# KiCad board nsec-badge-2025-panel.kicad_pcb (continued)
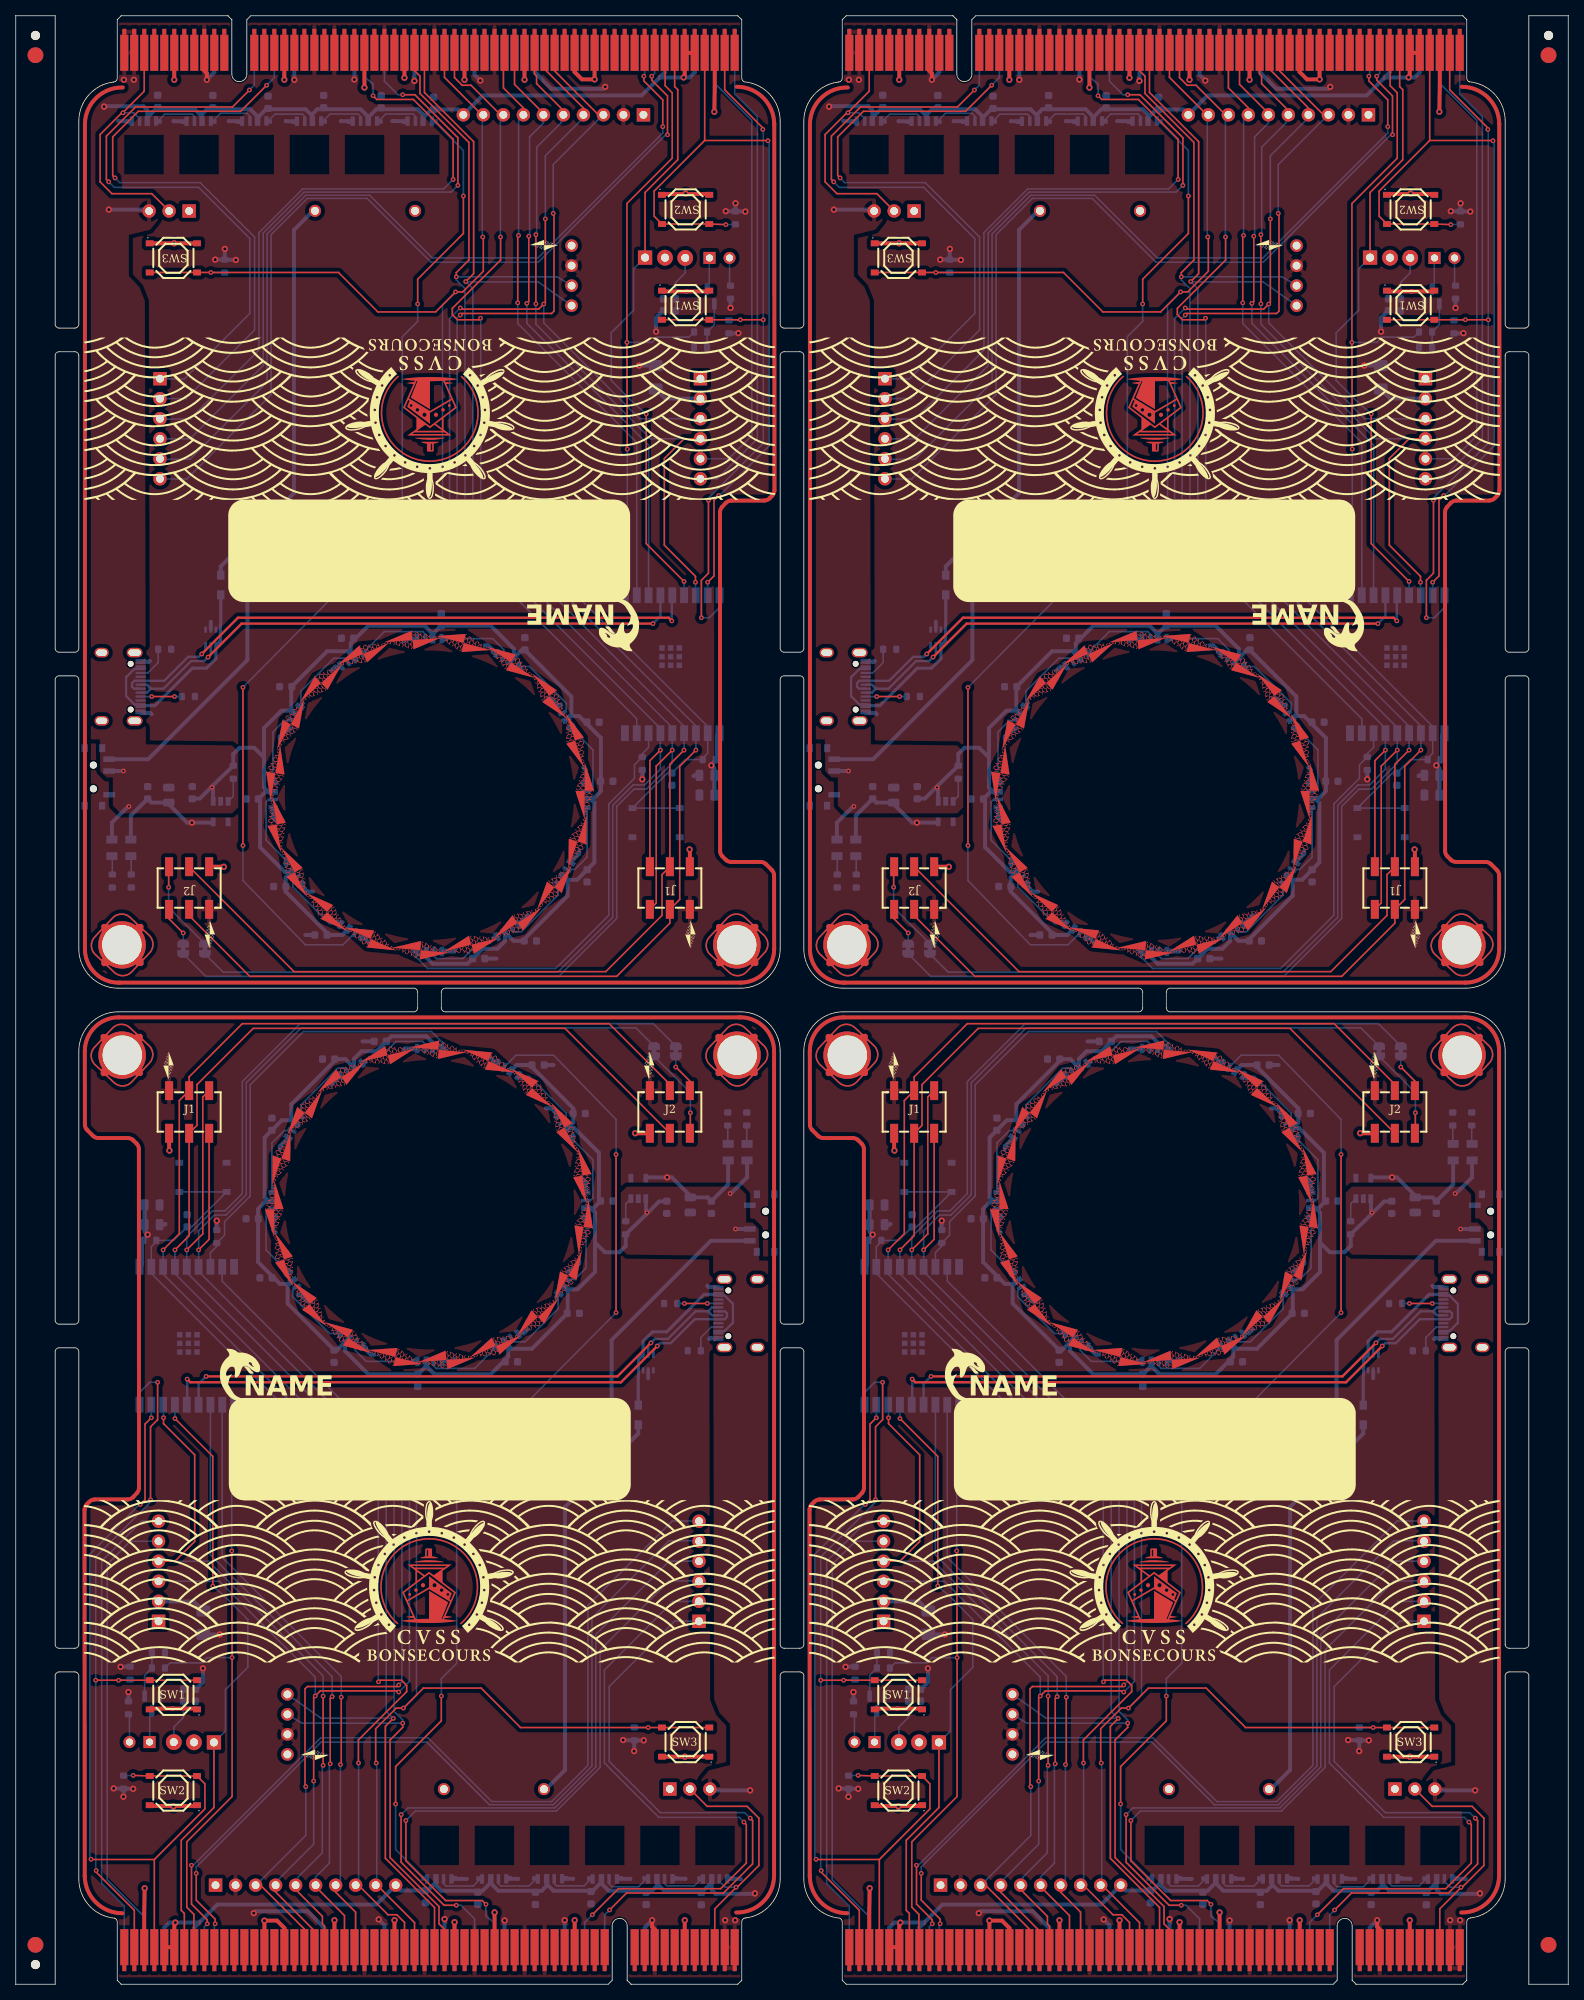
[diagram p0: board, top side]
## Routing (per net, layer and track width the routed paths; a pad name or vN(x,y) marks a point on that pad's centre or on a via; arc(x,y) is an arc through that point) (continued)
Board_2-GPIO3: length 88.4
  Top w0.2: v2(39,27.77) v2(39,36.55) ; 18.17,53.67 20.2,53.67 22.7,56.17 22.7,67.17 18.75,71.12 v2(18.75,71.87) ; J5#2.B21 39.16,7.41 38.91,7.66 38.91,8.61 35.51,12.01 J3.5
  Bottom w0.2: v2(39,36.55) 39,39.12 24.46,53.67 18.17,53.67 ; 35.8,12.86 35.8,13.57 38.9,16.67 38.9,27.67 v2(39,27.77) ; v2(18.75,71.87) 18.75,73.47 U1.16
Board_2-I2C_SCL: length 209.5
  Top w0.2: v2(20.2,93.17) 22,94.97 J1#3.5 23,108.96 23,114.14 30.13,121.27 69.69,121.27 J2#3.5 ; v2(49.1,33.12) 49.1,32.59 47.5,31 47.5,16.07 53.71,9.86 53.71,7.66 54.41,6.96 J5#2.B33
  Bottom w0.2: v2(20.2,93.17) U1.4 20.2,90.15 48,62.34 48,34.62 49.1,33.52 v2(49.1,33.12) 36.3,33.12 U7.3
Board_2-I2C_SDA: length 209.1
  Top w0.2: v2(18.7,93.17) 20.75,95.22 20.75,112.12 J1#3.2 22,115.12 28.75,121.87 75.3,121.87 83,114.17 J2#3.2 ; J5#2.B32 53.14,9.73 46.9,15.97 46.9,32.72 v2(47.9,33.72)
  Bottom w0.2: v2(18.7,93.17) U1.3 18.7,90.09 47,61.79 47,34.62 v2(47.9,33.72) 47.85,33.77 38.71,33.77 U7.4
Board_2-IR_IN: length 76.4
  Top w0.2: J5#2.B7 21.39,8.98 21,9.37 21,18.27 25.15,22.42 U5#2.1 ; v2(20.2,71.77) 25,66.97 v2(25,50.52)
  Bottom w0.2: U5#2.1 26.6,32.13 26.6,37.37 29.45,40.22 29.45,46.27 26.55,49.17 v2(25,50.52) ; v2(20.2,71.77) U1.15
Board_2-IR_OUT: length 80.8
  Top w0.2: v2(27.45,41.45) 27.45,23.82 21.7,18.07 21.7,9.77 22.6,8.87 22.6,4.76 J5#2.B8 ; v2(27.45,41.45) v2(27.41,54.98) ; v2(27.45,41.45) 27.48,41.47
  Bottom w0.2: v2(27.41,54.98) 27.41,70.85 27.72,71.95 U1.10 ; R12.1 19.58,40.77 23.6,40.77 24.28,41.45 v2(27.45,41.45)
Board_2-Net-(J6-Pin_2): length 6.1
  Bottom w0.2: 18.19,48.57 18.17,48.59
  Bottom w0.5: 18.19,48.57 22.59,48.57 F1#4.2
Board_2-Net-(JP1-A): length 5.1
  Top w0.2: J2#3.3 85.54,114.58 v2(83.75,116.37)
  Bottom w0.2: JP1#3.1 v2(83.75,116.37)
Board_2-Net-(JP2-B): length 11.7
  Top w0.2: J2#3.4 85.6,108.02 v2(85.6,110.57)
  Bottom w0.2: v2(85.6,110.57) 85.6,113.12 JP2#3.2
Board_2-Net-(LED1--): length 2.3
  Bottom w0.2: LED1.2 92.75,106.67 R2#4.1
Board_2-Net-(LED2--): length 2.3
  Bottom w0.2: R3#2.1 90.35,106.67 LED2#4.2
Board_2-Net-(Q1-B): length 5.9
  Bottom w0.2: Q1#4.1 16.35,39.2 R12.2 R13#2.2
Board_2-Net-(Q1-C): length 4.1
  Bottom w0.2: U4#3.1 17,30.75 17,34.38 Q1#4.3
Board_2-Net-(RGB1-DOUT): length 9.7
  Bottom w0.2: RGB1#2.3 51.93,119.31 51.63,119.61 48.24,119.61 46.25,117.62 44.78,117.62 RGB2#4.1
Board_2-Net-(RGB2-DOUT): length 9.3
  Bottom w0.2: RGB2#4.3 41.66,116.23 40.86,116.23 36.19,111.56 RGB3#3.1
Board_2-Net-(RGB3-DOUT): length 9.3
  Bottom w0.2: RGB3#3.3 34.07,108.31 32.5,106.74 32.5,100.85 RGB4#4.1
Board_2-Net-(RGB4-DOUT): length 9.8
  Bottom w0.2: RGB5.1 31.76,93.14 31.76,98.1 32.06,98.4 RGB4#4.3
Board_2-Net-(RGB5-DOUT): length 9.3
  Bottom w0.2: RGB5.3 35.16,88 35.16,87.21 39.81,82.56 RGB6#2.1
Board_2-Net-(RGB6-DOUT): length 9.3
  Bottom w0.2: RGB7#2.1 44.48,79.02 43.06,80.44 RGB6#2.3
Board_2-Net-(RGB7-DOUT): length 9.7
  Bottom w0.2: RGB8#3.1 58.22,78.12 53.37,78.12 53.05,78.44 RGB7#2.3
Board_2-Net-(RGB8-DOUT): length 9.6
  Bottom w0.2: RGB8#3.3 63.34,81.51 64.64,81.51 68.81,85.68 RGB9.1
Board_2-Net-(RGB10-DIN): length 9.3
  Bottom w0.2: RGB9.3 70.93,89.43 72.36,90.86 RGB10#2.1
Board_2-Net-(RGB10-DOUT): length 9.7
  Bottom w0.2: RGB10#2.3 72.94,99.43 73.24,99.73 73.24,104.6 RGB11.1
Board_2-Net-(RGB11-DOUT): length 9.3
  Bottom w0.2: RGB11.3 69.84,109.74 69.84,110.53 65.19,115.18 RGB12.1
Board_2-Net-(RGB12-DOUT): length 127.8
  Top w0.2: v2(54,36.57) 54,33.42 48.2,27.62 v2(48.2,22.87) ; v2(76.17,105.27) v2(76.17,85.21)
  Bottom w0.2: v2(48.2,22.87) 48.2,17.11 RGB13#4.1 ; v2(54,36.57) 54,38.77 55.95,40.72 55.95,64.82 v2(76.17,85.21) ; RGB12.3 63.5,117.87 68.25,117.87 76.17,109.72 v2(76.17,105.27)
Board_2-Net-(RGB13-DOUT): length 5.7
  Bottom w0.2: RGB14#3.1 58.05,12.47 54.58,12.47 54.28,12.76 RGB13#4.3
Board_2-Net-(RGB14-DOUT): length 5.9
  Bottom w0.2: RGB15#2.1 65.12,12.47 61.54,12.47 61.24,12.76 RGB14#3.3
Board_2-Net-(RGB15-DOUT): length 5.7
  Bottom w0.2: RGB15#2.3 68.33,12.78 68.63,12.48 72.1,12.48 RGB16#3.1
Board_2-Net-(RGB16-DOUT): length 5.9
  Bottom w0.2: RGB16#3.3 75.28,12.76 75.68,12.37 79.03,12.37 RGB17#3.1
Board_2-Net-(RGB17-DOUT): length 5.7
  Bottom w0.2: RGB18#2.1 86.1,12.48 82.63,12.48 82.33,12.78 RGB17#3.3
Board_2-Net-(U2-CC1): length 5.2
  Top w0.2: v2(87.75,86.37) v2(84.85,86.37)
  Bottom w0.2: v2(87.75,86.37) U2#3.A5 ; R4#4.1 v2(84.85,86.37)
Board_2-Net-(U2-CC2): length 4.4
  Bottom w0.2: U2#3.B5 88.25,83.37 86.92,82.04 R5#4.1
Board_2-Net-(U4-A): length 3.6
  Bottom w0.2: 14.3,34.25 14.43,34.12 U4#3.2
Board_2-Net-(U5-VS): length 7.2
  Bottom w0.2: U5#2.3 20.05,32.62 21.28,33.84 C17#3.1 21.28,37.37 R10#2.2
Board_2-Net-(U6-EN): length 3.1
  Bottom w0.2: 77.4,96.8 77.4,99.02 U6#3.3
Board_2-POWER_IN: length 33.5
  Bottom w0.5: D1#3.1 D2.1 75.61,81.73 88.2,94.32 KEY1#2.3
Board_2-RESET: length 128.9
  Top w0.2: v2(46.03,38.37) 46.23,38.57 48.95,38.57 49.6,37.92 49.6,37.12 43.48,31 43.48,28.08 v2(43.49,28.07) ; J3.8 43.48,12.57 47.23,8.82 48.35,8.82 49.33,7.84 J5#2.B29
  Bottom w0.2: v2(43.49,28.07) 43.5,28.06 43.5,12.59 43.48,12.57 ; v2(46.03,38.37) 46,38.4 46,61.37 17.2,90.17 U1.2 17.2,93.57 18,94.37 ; SW4#4.4 SW4#4.3 22.33,96.09 C4#4.1 20.03,94.37 R6#2.2
Board_2-RGB_LED: length 53.7
  Bottom w0.2: U1.7 24.7,92.82 25.5,93.62 R14#3.2 26.5,95.05 26.5,96.75 29.75,100 29.75,114.12 36.5,120.87 52.75,120.87 54.24,119.38 RGB1#2.1
Board_2-RGB_OUT: length 31.8
  Top w0.2: J4#3.2 87.74,22.57 92.8,22.57 94.3,21.07 94.3,15.07 91.54,12.31 v2(91.4,12.31) 91.4,12.27 88.7,9.57 J5#2.B60
  Bottom w0.2: RGB18#2.3 89.28,13.06 90.04,12.31 v2(91.4,12.31)
Board_2-SV1: length 58.3
  Bottom w0.2: J5#2.A3 16.3,8.57 11.6,13.27 11.6,53.27 14.54,56.21 J6#3.5
Board_2-SV2: length 59.5
  Bottom w0.2: 18.17,58.75 15.98,58.75 10.9,53.67 10.9,12.77 13.77,9.9 J5#2.A1
Board_2-SV3: length 76.8
  Top w0.2: v2(75.35,9.42) 77.5,11.57 89.8,11.57 93.5,15.27 93.5,20.77 v2(93.2,21.07)
  Bottom w0.2: v2(93.2,21.07) 92.5,21.77 81.8,21.77 75.3,28.27 75.3,37.77 83.6,46.07 86.73,46.07 86.75,46.05 ; v2(75.35,9.42) 74.73,8.8 J5#2.A49
Board_2-SV4: length 80.4
  Top w0.2: v2(92.4,20.57) 92.7,20.27 92.7,15.37 89.45,12.12 76.47,12.12 v2(73.16,8.81)
  Bottom w0.2: 86.75,48.59 86.74,48.57 83.4,48.57 74.7,39.87 74.7,28.07 81.6,21.17 91.8,21.17 v2(92.4,20.57) ; v2(73.16,8.81) 72.19,7.84 J5#2.A47
Board_2-SV5: length 84.2
  Top w0.2: v2(59.66,10.15) 59.19,10.62 54.55,10.62 49.5,15.67 v2(49.5,20.77)
  Bottom w0.2: 60.76,6.79 J5#2.A38 60.77,7.77 59.66,8.62 v2(59.66,10.15) ; 86.75,51.12 86.71,51.17 82.9,51.17 74.15,42.42 74.15,27.52 68.6,21.97 50.7,21.97 v2(49.5,20.77)
Board_2-SV6: length 83
  Top w0.2: v2(55.9,10.02) 54.35,10.02 48.9,15.47 v2(48.9,21.52)
  Bottom w0.2: v2(48.9,21.52) 49.75,22.37 68.4,22.37 73.6,27.57 73.6,44.37 82.9,53.67 86.75,53.67 86.75,53.67 ; v2(55.9,10.02) 56.5,10.02 58.22,8.3 J5#2.A36
Board_2-SV7: length 109.8
  Top w0.2: v2(25.3,7.67) 25.3,8.27 22.9,10.67 v2(22.9,14.07)
  Bottom w0.2: 86.75,56.21 86.69,56.27 82.9,56.27 73.11,46.48 73.11,27.68 68.2,22.77 60.1,22.77 52.15,30.72 38.75,30.72 22.9,14.87 v2(22.9,14.07) ; v2(25.3,7.67) 25.2,7.57 J5#2.A10
Board_2-SV8: length 112.5
  Top w0.2: v2(24.3,7.67) 24.3,8.17 22.3,10.17 v2(22.3,15.09)
  Bottom w0.2: J5#2.A9 23.93,7.3 v2(24.3,7.67) ; v2(22.3,15.09) 22.53,15.09 38.7,31.27 52.31,31.27 60.41,23.17 68,23.17 72.6,27.77 72.6,48.07 83.3,58.77 86.73,58.77 86.75,58.75
Board_2-UART_RX: length 76.3
  Top w0.2: 43.12,4.84 43.12,9.15 40.59,11.68 J3.7 ; v2(41.3,36.42) 41.3,27.97 v2(41.2,27.87)
  Bottom w0.2: U1.11 26.2,54.15 41.3,39.05 v2(41.3,36.42) ; J3.7 41.2,13.18 v2(41.2,27.87)
Board_2-UART_TX: length 77.6
  Top w0.2: J5#2.B23 41.71,8.71 38.05,12.37 J3.6 ; v2(39.9,27.97) 39.9,36.25 v2(40.15,36.5)
  Bottom w0.2: v2(40.15,36.5) 40.15,39.02 24.7,54.47 U1.12 ; v2(39.9,27.97) 39.8,27.87 39.8,15.37 38.05,13.62 J3.6
Board_2-USB_D+: length 78.3
  Top w0.3: v2(81.4,80.97) 76.8,76.37 22.15,76.37 v2(21.75,76.77)
  Bottom w0.3: U1.14 21.75,73.57 v2(21.75,76.77) ; U2#3.A6 90,85.37 90.25,85.12 90.25,84.67 89.95,84.37 86.16,84.37 83.12,81.33 81.76,81.33 80.9,80.47 U3.6
Board_2-USB_D-: length 76.2
  Top w0.3: v2(80.6,81.37) 76.35,77.12 v2(24.15,77.12)
  Bottom w0.3: U2#3.B7 88.35,85.87 88,85.52 88,85.22 88.2,85.02 ; v2(24.15,77.12) 23.2,76.17 U1.13 ; 88.2,85.02 87.85,85.37 86.25,85.37 82.75,81.87 81.1,81.87 v2(80.6,81.37) 80.25,81.02 U3.5 ; 88.2,85.02 88.35,84.87 U2#3.A7
Board_2-VBAT: length 51.3
  Bottom w0.5: BT1#3.P 67.28,24.75 69.7,27.17 69.7,60.57 78.99,69.86 D1#3.2
Board_2-VBUS: length 27.5
  Bottom w0.2: U2#3.B4 U2#3.A9
  Bottom w0.3: U2#3.B9 89.95,87.37 91,86.32 91,83.92 89.95,82.87 U2#3.B4
  Bottom w0.4: D2.2 78.99,77.11 79.03,77.14 79.03,79.28 U3.4 79.6,81.57 80.8,82.77 82.6,82.77 87.35,87.52 89,87.52
Board_2-VDD: length 280.1
  Top w0.5: J5#2.A5 J5#2.B6 20.12,7.69 v1(20.25,7.82) ; 93.8,11.67 v1(93.8,11.52) 93.65,11.52
  Bottom w0.5: C20#3.1 48.9,11.88 J3.10 45.75,10.11 25.59,10.11 23.3,7.82 ; v2(90.65,100.32) 90.75,100.32 92.8,102.37 LED1.1 ; 52.09,78.44 53.16,77.37 60.25,77.37 62.49,79.61 62.49,81.04 RGB8#3.2 62.92,80.62 65.5,80.62 70.04,85.15 70.04,88.03 RGB9.2 69.91,88.16 71.29,88.16 73.5,90.37 73.5,97.91 72.94,98.47 ; 52.09,78.44 51.02,77.37 44.75,77.37 41.79,80.33 41.79,81.46 RGB6#2.2 40.77,80.45 40.43,80.45 34.5,86.37 34.5,88.66 RGB5.2 34.7,88.85 33.52,88.85 30.75,91.62 30.75,98.37 31.74,99.36 RGB4#4.2 32.06,99.36 31.58,99.84 31.58,107.43 33.78,109.62 35.06,109.62 RGB3#3.2 34.97,109.71 34.97,111.64 40.7,117.37 41.84,117.37 RGB2#4.2 42.92,116.28 42.92,117.41 43.89,118.37 45.78,118.37 47.68,120.27 52.1,120.27 52.89,119.48 RGB1#2.2 ; 52.09,78.44 RGB7#2.2 ; v1(93.19,24.59) 88.26,24.59 J4#3.3 ; KEY1#2.2 93.14,95.81 v2(91.34,95.81) ; 72.94,98.47 73.33,98.47 74,99.15 74,105.49 70.87,108.62 70.04,108.62 RGB11.2 70.75,109.33 70.75,111.12 65.25,116.62 63.56,116.62 RGB12.2 ; 72.94,98.47 RGB10#2.2 ; 23.3,7.82 22.66,7.19 J5#2.A8 ; 23.3,7.82 v1(20.25,7.82) 19.49,7.82 18.85,7.19 J5#2.A5 ; 79.98,97.65 R1#3.1 77.4,93.67 76.6,92.87 74.75,92.87 73.5,94.12 ; 79.98,97.65 80.11,97.78 v2(80.11,97.91) 80.24,97.91 81.63,99.3 82.6,99.34 ; 79.98,97.65 U6#3.1 ; RGB18#2.2 88.32,11.95 88.8,11.47 93.75,11.47 v1(93.8,11.52) ; RGB18#2.2 88.32,12.93 87.25,11.86 82.28,11.86 81.36,12.78 RGB17#3.2 81.36,12.48 80.74,11.86 75.24,11.86 74.32,12.78 RGB16#3.2 74.32,12.94 73.24,11.86 68.24,11.86 67.36,12.73 RGB15#2.2 67.36,12.48 66.74,11.86 61.24,11.86 60.28,12.81 RGB14#3.2 60.28,12.9 59.24,11.86 53.99,11.86 53.32,12.53 RGB13#4.2 53.32,12.95 52.48,12.11 ; RGB18#2.2 88.28,13.33
  vias: v1(90.02,8.12) v1(91.29,8.12)
Board_3-+3V3: length 74.3
  Top w0.5: J5#3.B54 173.08,6.96 172.75,7.29 v1(172.75,8.12)
  Bottom w0.5: U6#4.5 172.05,102.37 v1(174.65,102.37) 175.25,102.37 177.59,100.03 C2#3.1 179.79,99.82 C3#4.1 182.4,101.48 LED2#2.1 ; v1(172.75,8.12) 171.81,7.18 J5#3.A53 ; J5#3.A39 v1(154.03,8.09) ; R10.1 115.75,38.3 v1(115.75,40.07) ; R8#3.1 v1(104.42,24.84) ; R8#3.1 v1(106.9,24.8) ; R8#3.1 v1(105.67,23.79) ; J5#3.A21 131.16,7.13 129.03,9.27 122.45,9.27 v1(122.2,9.02) ; C18.1 C19.1 108.35,95.47 v1(108.74,95.11) R6#4.1 108,94.2 108,91.32 U1#3.1 ; v1(106.3,37.07) R11#3.1 ; v1(105.3,40.27) 105.33,40.3 106.5,40.3 ; R9#2.1 v1(169.07,30.98) ; R9#2.1 v1(171.69,30.94) ; R9#2.1 v1(170.47,29.58) ; v1(117.5,96.87) 117.5,95.7 ; J5#3.A45 v1(161.65,8.12) ; v1(146.41,8.27) J5#3.A33 ; v1(138.05,8.22) 138.79,7.48 J5#3.A27 ; v1(117.9,44.38) F1#2.1
Board_3-BTN_A: length 145.2
  Top w0.2: J3#2.9 137.85,12.57 142.6,7.82 J5#3.B30 ; SW3#4.3 SW3#4.4 v2(172.25,32.57) 156.05,32.57 151.05,37.57 143.73,37.57 v2(141.19,35.03) 140.29,35.03 137.67,32.42 137.67,28.14 v2(137.74,28.07)
  Bottom w0.2: J3#2.9 137.8,12.7 137.8,28.01 v2(137.74,28.07) ; v2(141.19,35.03) 142.85,36.7 142.85,64.55 118.2,89.2 U1#3.8 ; R9#2.2 v2(172.25,32.57)
Board_3-BTN_DOWN: length 103.2
  Top w0.2: v2(101.55,15.86) 101.59,15.82 109.58,15.82 ; v2(106.9,26.5) SW2.4 SW2.3 116,25.42 116,22.24 109.58,15.82 ; v2(107.8,60.87) 108.4,61.47 108.4,71.07 v2(109.2,71.87) ; 109.58,15.82 J5#3.B4
  Bottom w0.2: v2(109.2,71.87) U1#3.17 ; v2(107.8,60.87) 107.7,60.87 101.4,54.57 101.4,16.01 v2(101.55,15.86) ; 105.69,26.47 v2(106.9,26.5)
Board_3-BTN_UP: length 95.7
  Top w0.2: SW1#4.3 SW1#4.4 105.4,38.57 v2(105.05,38.57) v2(102.14,38.57) ; v2(109.1,61.47) 109.1,70.72 110,71.62 v2(110,76.37) ; J5#3.B2 107.04,9.39 102.2,14.23 v2(102.2,14.42)
  Bottom w0.2: v2(109.1,61.47) 109.1,61.17 102.14,54.21 v2(102.14,38.57) 102.15,38.56 102.15,14.47 v2(102.2,14.42) ; U1#3.18 107.7,75.07 109,76.37 v2(110,76.37) ; 106.58,38.59 v2(105.05,38.57)
Board_3-GND: length 95.4
  Top w0.5: J2#4.6 170.61,107.96 v1(170.6,107.97) ; 173.9,28.87 179.9,28.87 ; J5#3.B17 126.09,7.12 125.15,8.07 v1(123.55,8.07) J5#3.B15 ; J5#3.B46 v1(162.92,8.12) ; J5#3.B28 140.06,8.06 ; 109,34.97 115,34.97 ; J5#3.B22 132.44,8.06 132.5,8.12 ; J5#3.B34 v1(147.68,7.87) ; v1(111.5,105.77) 111.46,105.81 J1.6 ; v1(152.76,9.11) J5#3.B38 ; 109,22.62 115,22.62 ; v1(108.36,12.18) 108.3,9.07 J5#3.B3 ; J5#3.B57 176.89,7.98
  Bottom w0.4: 174.35,86.37 174.15,86.37
  Bottom w0.5: 155.74,13.36 155.73,13.37 RGB14#2.4 ; RGB10#3.4 164.34,101.78 163.75,102.37 ; 129.5,86.62 129.02,86.62 RGB5#4.4 ; 163.5,91.87 163.5,91.44 RGB9#2.4 ; RGB4#3.4 124.67,95.71 125,95.37 ; U3#3.2 172.25,76.87 ; RGB2#2.4 132.02,114.12 132,114.12 ; RGB7#3.4 147.43,79.05 147.75,79.37 ; RGB11#4.4 159.98,111.12 159.25,111.12 ; RGB17#4.4 176.96,13.38 176.99,13.36 ; 111,96.47 110.9,96.37 C19.2 ; RGB1.4 141.34,118.71 141.25,118.62 ; 125.5,105.87 125.5,106.3 RGB3#4.4 ; 151.75,117.87 151.94,117.87 RGB12#3.4 ; 179.75,88.62 179.9,88.47 U2#2.A1 ; 149.24,13.36 148.74,13.36 148.73,13.37 RGB13#2.4 ; C16#4.2 160.25,116.62 ; 162.74,13.36 162.71,13.38 RGB15.4 ; RGB16#4.4 169.98,13.37 169.99,13.36 ; C5.2 136,119.62 ; 183.99,13.36 183.98,13.37 RGB18#3.4 ; 157,83.12 156.46,82.58 RGB8#4.4 ; 180.05,81.87 180,81.87 180.1,81.97 181.15,81.97 ; RGB6#3.4 137.07,79.87 137.5,79.87
  vias: v1(112,22.57) v1(132.44,8.12) v1(140.06,8.12) v1(176.9,28.87) v1(176.89,8.12) v2(111.9,34.97)
Board_3-GPIO1: length 222.3
  Top w0.2: J5#3.B19 128.62,7 123.05,12.57 J3#2.3 ; v2(128.8,25.07) 128.7,25.17 128.7,37.47 129,37.77 140.4,37.77 v2(140.6,37.97) ; J1.3 115.73,112.56 115.73,95.2 v2(113.7,93.17)
  Bottom w0.2: 113.7,90.29 141,63 141,38.37 v2(140.6,37.97) ; U1#3.5 v2(113.7,93.17) 113.7,94.82 117,98.12 118.55,98.12 120.75,100.32 120.75,114.52 128.1,121.87 172.9,121.87 JP1#2.2 ; v2(128.8,25.07) 128.8,18.87 122.5,12.57 J3#2.3
Board_3-GPIO2: length 237.4
  Top w0.2: v2(115.2,93.17) 116.54,94.51 J1.4 ; J3#2.4 124.97,11.7 129.9,6.77 J5#3.B20 ; v2(129.8,25.77) 129.8,36.37 v2(130,36.57) 130.65,37.22 140.45,37.22 v2(140.6,37.07)
  Bottom w0.2: v2(130,36.57) 130,38.97 117.85,51.12 110.18,51.12 110.17,51.12 ; v2(129.8,25.77) 129.8,17.77 124.97,12.94 J3#2.4 ; v2(140.6,37.07) 141.95,38.42 141.95,63.67 115.2,90.42 U1#3.6 v2(115.2,93.17) 115.2,95.57 117.21,97.58 118.66,97.58 121.25,100.17 121.25,114.37 128.21,121.33 170.69,121.33 JP2#2.1
Board_3-GPIO3: length 88.4
  Top w0.2: 110.17,53.67 112.2,53.67 114.7,56.17 114.7,67.17 110.75,71.12 v2(110.75,71.87) ; J3#2.5 127.51,12.01 130.91,8.61 130.91,7.66 131.16,7.41 J5#3.B21 ; v2(131,27.77) v2(131,36.55)
  Bottom w0.2: v2(131,27.77) 130.9,27.67 130.9,16.67 127.8,13.57 127.8,12.86 ; v2(131,36.55) 131,39.12 116.46,53.67 110.17,53.67 ; U1#3.16 110.75,73.47 v2(110.75,71.87)
Board_3-I2C_SCL: length 209.5
  Top w0.2: v2(141.1,33.12) 141.1,32.59 139.5,31 139.5,16.07 145.71,9.86 145.71,7.66 146.41,6.96 J5#3.B33 ; J2#4.5 161.69,121.27 122.13,121.27 115,114.14 115,108.96 J1.5 114,94.97 v2(112.2,93.17)
  Bottom w0.2: v2(112.2,93.17) U1#3.4 112.2,90.15 140,62.34 140,34.62 141.1,33.52 v2(141.1,33.12) 128.3,33.12 U7#3.3
Board_3-I2C_SDA: length 209.1
  Top w0.2: v2(110.7,93.17) 112.75,95.22 112.75,112.12 J1.2 114,115.12 120.75,121.87 167.3,121.87 175,114.17 J2#4.2 ; J5#3.B32 145.14,9.73 138.9,15.97 138.9,32.72 v2(139.9,33.72)
  Bottom w0.2: U7#3.4 130.71,33.77 139.85,33.77 v2(139.9,33.72) 139,34.62 139,61.79 110.7,90.09 U1#3.3 v2(110.7,93.17)
Board_3-IR_IN: length 76.4
  Top w0.2: J5#3.B7 113.39,8.98 113,9.37 113,18.27 117.15,22.42 U5#4.1 ; v2(117,50.52) 117,66.97 v2(112.2,71.77)
  Bottom w0.2: v2(112.2,71.77) U1#3.15 ; v2(117,50.52) 118.55,49.17 121.45,46.27 121.45,40.22 118.6,37.37 118.6,32.13 U5#4.1
Board_3-IR_OUT: length 80.8
  Top w0.2: v2(119.45,41.45) 119.45,23.82 113.7,18.07 113.7,9.77 114.6,8.87 114.6,4.76 J5#3.B8 ; v2(119.45,41.45) v2(119.41,54.98) ; v2(119.45,41.45) 119.48,41.47
  Bottom w0.2: R12#4.1 111.58,40.77 115.6,40.77 116.28,41.45 v2(119.45,41.45) ; v2(119.41,54.98) 119.41,70.85 119.72,71.95 U1#3.10
Board_3-Net-(J6-Pin_2): length 6.1
  Bottom w0.2: 110.19,48.57 110.17,48.59
  Bottom w0.5: 110.19,48.57 114.59,48.57 F1#2.2
Board_3-Net-(JP1-A): length 5.1
  Top w0.2: v2(175.75,116.37) 177.54,114.58 J2#4.3
  Bottom w0.2: JP1#2.1 v2(175.75,116.37)
Board_3-Net-(JP2-B): length 11.7
  Top w0.2: v2(177.6,110.57) 177.6,108.02 J2#4.4
  Bottom w0.2: v2(177.6,110.57) 177.6,113.12 JP2#2.2
Board_3-Net-(LED1--): length 2.3
  Bottom w0.2: R2#2.1 184.75,106.67 LED1#3.2
Board_3-Net-(LED2--): length 2.3
  Bottom w0.2: R3#4.1 182.35,106.67 LED2#2.2
Board_3-Net-(Q1-B): length 5.9
  Bottom w0.2: R13#4.2 R12#4.2 108.35,39.2 Q1#2.1
Board_3-Net-(Q1-C): length 4.1
  Bottom w0.2: Q1#2.3 109,34.38 109,30.75 U4.1
Board_3-Net-(RGB1-DOUT): length 9.7
  Bottom w0.2: RGB2#2.1 136.78,117.62 138.25,117.62 140.24,119.61 143.63,119.61 143.93,119.31 RGB1.3
Board_3-Net-(RGB2-DOUT): length 9.3
  Bottom w0.2: RGB2#2.3 133.66,116.23 132.86,116.23 128.19,111.56 RGB3#4.1
Board_3-Net-(RGB3-DOUT): length 9.3
  Bottom w0.2: RGB3#4.3 126.07,108.31 124.5,106.74 124.5,100.85 RGB4#3.1
Board_3-Net-(RGB4-DOUT): length 9.8
  Bottom w0.2: RGB4#3.3 124.06,98.4 123.76,98.1 123.76,93.14 RGB5#4.1
Board_3-Net-(RGB5-DOUT): length 9.3
  Bottom w0.2: RGB5#4.3 127.16,88 127.16,87.21 131.81,82.56 RGB6#3.1
Board_3-Net-(RGB6-DOUT): length 9.3
  Bottom w0.2: RGB6#3.3 135.06,80.44 136.48,79.02 RGB7#3.1
Board_3-Net-(RGB7-DOUT): length 9.7
  Bottom w0.2: RGB7#3.3 145.05,78.44 145.37,78.12 150.22,78.12 RGB8#4.1
Board_3-Net-(RGB8-DOUT): length 9.6
  Bottom w0.2: RGB8#4.3 155.34,81.51 156.64,81.51 160.81,85.68 RGB9#2.1
Board_3-Net-(RGB10-DIN): length 9.3
  Bottom w0.2: RGB10#3.1 164.36,90.86 162.93,89.43 RGB9#2.3
Board_3-Net-(RGB10-DOUT): length 9.7
  Bottom w0.2: RGB11#4.1 165.24,104.6 165.24,99.73 164.94,99.43 RGB10#3.3
Board_3-Net-(RGB11-DOUT): length 9.3
  Bottom w0.2: RGB11#4.3 161.84,109.74 161.84,110.53 157.19,115.18 RGB12#3.1
Board_3-Net-(RGB12-DOUT): length 127.8
  Top w0.2: v2(140.2,22.87) 140.2,27.62 146,33.42 v2(146,36.57) ; v2(168.17,105.27) v2(168.17,85.21)
  Bottom w0.2: v2(140.2,22.87) 140.2,17.11 RGB13#2.1 ; v2(168.17,85.21) 147.95,64.82 147.95,40.72 146,38.77 v2(146,36.57) ; v2(168.17,105.27) 168.17,109.72 160.25,117.87 155.5,117.87 RGB12#3.3
Board_3-Net-(RGB13-DOUT): length 5.7
  Bottom w0.2: RGB13#2.3 146.28,12.76 146.58,12.47 150.05,12.47 RGB14#2.1
Board_3-Net-(RGB14-DOUT): length 5.9
  Bottom w0.2: RGB14#2.3 153.24,12.76 153.54,12.47 157.12,12.47 RGB15.1
Board_3-Net-(RGB15-DOUT): length 5.7
  Bottom w0.2: RGB16#4.1 164.1,12.48 160.63,12.48 160.33,12.78 RGB15.3
Board_3-Net-(RGB16-DOUT): length 5.9
  Bottom w0.2: RGB17#4.1 171.03,12.37 167.68,12.37 167.28,12.76 RGB16#4.3
Board_3-Net-(RGB17-DOUT): length 5.7
  Bottom w0.2: RGB18#3.1 178.1,12.48 174.63,12.48 174.33,12.78 RGB17#4.3
Board_3-Net-(U2-CC1): length 5.2
  Top w0.2: v2(179.75,86.37) v2(176.85,86.37)
  Bottom w0.2: v2(179.75,86.37) U2#2.A5 ; R4.1 v2(176.85,86.37)
Board_3-Net-(U2-CC2): length 4.4
  Bottom w0.2: U2#2.B5 180.25,83.37 178.92,82.04 R5#3.1
Board_3-Net-(U4-A): length 3.6
  Bottom w0.2: 106.3,34.25 106.43,34.12 U4.2
Board_3-Net-(U5-VS): length 7.2
  Bottom w0.2: R10.2 113.28,37.37 C17#4.1 113.28,33.84 112.05,32.62 U5#4.3
Board_3-Net-(U6-EN): length 3.1
  Bottom w0.2: 169.4,96.8 169.4,99.02 U6#4.3
Board_3-POWER_IN: length 33.5
  Bottom w0.5: KEY1#3.3 180.2,94.32 167.61,81.73 D2#4.1 D1.1
Board_3-RESET: length 128.9
  Top w0.2: J3#2.8 135.48,12.57 139.23,8.82 140.35,8.82 141.33,7.84 J5#3.B29 ; v2(138.03,38.37) 138.23,38.57 140.95,38.57 141.6,37.92 141.6,37.12 135.48,31 135.48,28.08 v2(135.49,28.07)
  Bottom w0.2: v2(135.49,28.07) 135.5,28.06 135.5,12.59 135.48,12.57 ; 110,94.37 109.2,93.57 U1#3.2 109.2,90.17 138,61.37 138,38.4 v2(138.03,38.37) ; R6#4.2 112.03,94.37 C4.1 114.33,96.09 SW4.3 SW4.4
Board_3-RGB_LED: length 53.7
  Bottom w0.2: U1#3.7 116.7,92.82 117.5,93.62 R14#2.2 118.5,95.05 118.5,96.75 121.75,100 121.75,114.12 128.5,120.87 144.75,120.87 146.24,119.38 RGB1.1
Board_3-RGB_OUT: length 31.8
  Top w0.2: J5#3.B60 180.7,9.57 183.4,12.27 v2(183.4,12.31) 183.54,12.31 186.3,15.07 186.3,21.07 184.8,22.57 179.74,22.57 J4#2.2
  Bottom w0.2: RGB18#3.3 181.28,13.06 182.04,12.31 v2(183.4,12.31)
Board_3-SV1: length 58.3
  Bottom w0.2: J6#4.5 106.54,56.21 103.6,53.27 103.6,13.27 108.3,8.57 J5#3.A3
Board_3-SV2: length 59.5
  Bottom w0.2: J5#3.A1 105.77,9.9 102.9,12.77 102.9,53.67 107.98,58.75 110.17,58.75
Board_3-SV3: length 76.8
  Top w0.2: v2(167.35,9.42) 169.5,11.57 181.8,11.57 185.5,15.27 185.5,20.77 v2(185.2,21.07)
  Bottom w0.2: v2(167.35,9.42) 166.73,8.8 J5#3.A49 ; v2(185.2,21.07) 184.5,21.77 173.8,21.77 167.3,28.27 167.3,37.77 175.6,46.07 178.73,46.07 178.75,46.05
Board_3-SV4: length 80.4
  Top w0.2: v2(165.16,8.81) 168.47,12.12 181.45,12.12 184.7,15.37 184.7,20.27 v2(184.4,20.57)
  Bottom w0.2: v2(165.16,8.81) 164.19,7.84 J5#3.A47 ; v2(184.4,20.57) 183.8,21.17 173.6,21.17 166.7,28.07 166.7,39.87 175.4,48.57 178.74,48.57 178.75,48.59
Board_3-SV5: length 84.2
  Top w0.2: v2(141.5,20.77) 141.5,15.67 146.55,10.62 151.19,10.62 v2(151.66,10.15)
  Bottom w0.2: 178.75,51.12 178.71,51.17 174.9,51.17 166.15,42.42 166.15,27.52 160.6,21.97 142.7,21.97 v2(141.5,20.77) ; 152.76,6.79 J5#3.A38 152.77,7.77 151.66,8.62 v2(151.66,10.15)
Board_3-SV6: length 83
  Top w0.2: v2(140.9,21.52) 140.9,15.47 146.35,10.02 v2(147.9,10.02)
  Bottom w0.2: v2(140.9,21.52) 141.75,22.37 160.4,22.37 165.6,27.57 165.6,44.37 174.9,53.67 178.75,53.67 178.75,53.67 ; v2(147.9,10.02) 148.5,10.02 150.22,8.3 J5#3.A36
Board_3-SV7: length 109.8
  Top w0.2: v2(117.3,7.67) 117.3,8.27 114.9,10.67 v2(114.9,14.07)
  Bottom w0.2: 178.75,56.21 178.69,56.27 174.9,56.27 165.11,46.48 165.11,27.68 160.2,22.77 152.1,22.77 144.15,30.72 130.75,30.72 114.9,14.87 v2(114.9,14.07) ; J5#3.A10 117.2,7.57 v2(117.3,7.67)
Board_3-SV8: length 112.5
  Top w0.2: v2(116.3,7.67) 116.3,8.17 114.3,10.17 v2(114.3,15.09)
  Bottom w0.2: v2(116.3,7.67) 115.93,7.3 J5#3.A9 ; 178.75,58.75 178.73,58.77 175.3,58.77 164.6,48.07 164.6,27.77 160,23.17 152.41,23.17 144.31,31.27 130.7,31.27 114.53,15.09 v2(114.3,15.09)
Board_3-UART_RX: length 76.3
  Top w0.2: J3#2.7 132.59,11.68 135.12,9.15 135.12,4.84 ; v2(133.2,27.87) 133.3,27.97 v2(133.3,36.42)
  Bottom w0.2: J3#2.7 133.2,13.18 v2(133.2,27.87) ; U1#3.11 118.2,54.15 133.3,39.05 v2(133.3,36.42)
Board_3-UART_TX: length 77.6
  Top w0.2: J5#3.B23 133.71,8.71 130.05,12.37 J3#2.6 ; v2(131.9,27.97) 131.9,36.25 v2(132.15,36.5)
  Bottom w0.2: U1#3.12 116.7,54.47 132.15,39.02 v2(132.15,36.5) ; J3#2.6 130.05,13.62 131.8,15.37 131.8,27.87 v2(131.9,27.97)
Board_3-USB_D+: length 78.3
  Top w0.3: v2(173.4,80.97) 168.8,76.37 114.15,76.37 v2(113.75,76.77)
  Bottom w0.3: U2#2.A6 182,85.37 182.25,85.12 182.25,84.67 181.95,84.37 178.16,84.37 175.12,81.33 173.76,81.33 172.9,80.47 U3#3.6 ; U1#3.14 113.75,73.57 v2(113.75,76.77)
Board_3-USB_D-: length 76.2
  Top w0.3: v2(172.6,81.37) 168.35,77.12 v2(116.15,77.12)
  Bottom w0.3: U2#2.B7 180.35,85.87 180,85.52 180,85.22 180.2,85.02 ; v2(116.15,77.12) 115.2,76.17 U1#3.13 ; U2#2.A7 180.35,84.87 180.2,85.02 ; 180.2,85.02 179.85,85.37 178.25,85.37 174.75,81.87 173.1,81.87 v2(172.6,81.37) 172.25,81.02 U3#3.5
Board_3-VBAT: length 51.3
  Bottom w0.5: D1.2 170.99,69.86 161.7,60.57 161.7,27.17 159.28,24.75 BT1.P
Board_3-VBUS: length 27.5
  Bottom w0.2: U2#2.B4 U2#2.A9
  Bottom w0.3: U2#2.B4 181.95,82.87 183,83.92 183,86.32 181.95,87.37 U2#2.B9
  Bottom w0.4: 181,87.52 179.35,87.52 174.6,82.77 172.8,82.77 171.6,81.57 U3#3.4 171.03,79.28 171.03,77.14 170.99,77.11 D2#4.2
Board_3-VDD: length 280.1
  Top w0.5: 185.65,11.52 v1(185.8,11.52) 185.8,11.67 ; J5#3.A5 J5#3.B6 112.12,7.69 v1(112.25,7.82)
  Bottom w0.5: RGB18#3.2 180.32,12.93 179.25,11.86 174.28,11.86 173.36,12.78 RGB17#4.2 173.36,12.48 172.74,11.86 167.24,11.86 166.32,12.78 RGB16#4.2 166.32,12.94 165.24,11.86 160.24,11.86 159.36,12.73 RGB15.2 159.36,12.48 158.74,11.86 153.24,11.86 152.28,12.81 RGB14#2.2 152.28,12.9 151.24,11.86 145.99,11.86 145.32,12.53 RGB13#2.2 145.32,12.95 144.48,12.11 ; RGB18#3.2 180.28,13.33 ; RGB18#3.2 180.32,11.95 180.8,11.47 185.75,11.47 v1(185.8,11.52) ; J4#2.3 180.26,24.59 v1(185.19,24.59) ; v2(183.34,95.81) 185.14,95.81 KEY1#3.2 ; LED1#3.1 184.8,102.37 182.75,100.32 v2(182.65,100.32) ; J5#3.A8 114.66,7.19 115.3,7.82 ; RGB1.2 144.89,119.48 144.1,120.27 139.68,120.27 137.78,118.37 135.89,118.37 134.92,117.41 134.92,116.28 RGB2#2.2 133.84,117.37 132.7,117.37 126.97,111.64 126.97,109.71 RGB3#4.2 127.06,109.62 125.78,109.62 123.58,107.43 123.58,99.84 124.06,99.36 RGB4#3.2 123.74,99.36 122.75,98.37 122.75,91.62 125.52,88.85 126.7,88.85 RGB5#4.2 126.5,88.66 126.5,86.37 132.43,80.45 132.77,80.45 RGB6#3.2 133.79,81.46 133.79,80.33 136.75,77.37 143.02,77.37 144.09,78.44 ; RGB7#3.2 144.09,78.44 ; 144.09,78.44 145.16,77.37 152.25,77.37 154.49,79.61 154.49,81.04 RGB8#4.2 154.92,80.62 157.5,80.62 162.04,85.15 162.04,88.03 RGB9#2.2 161.91,88.16 163.29,88.16 165.5,90.37 165.5,97.91 164.94,98.47 ; J5#3.A5 110.85,7.19 111.49,7.82 v1(112.25,7.82) 115.3,7.82 ; 115.3,7.82 117.59,10.11 137.75,10.11 J3#2.10 140.9,11.88 C20#4.1 ; 164.94,98.47 RGB10#3.2 ; 164.94,98.47 165.33,98.47 166,99.15 166,105.49 162.87,108.62 162.04,108.62 RGB11#4.2 162.75,109.33 162.75,111.12 157.25,116.62 155.56,116.62 RGB12#3.2 ; 165.5,94.12 166.75,92.87 168.6,92.87 169.4,93.67 R1#4.1 171.98,97.65 ; 174.6,99.34 173.63,99.3 172.24,97.91 v2(172.11,97.91) 172.11,97.78 171.98,97.65 ; U6#4.1 171.98,97.65
  vias: v1(182.02,8.12) v1(183.29,8.12)

## Copper pours and planes (outline as drawn; the poured copper is in the pictures)
Board_0-+3V3 on Top: 109,120.37 -3.5,120.37 -3.8,248.87 108.7,248.87
Board_0-GND on Bottom: 112,118.87 -8,118.87 -7.7,248.87 112.3,248.87
Board_0-VDD on Top: 28.45,157.17 16.51,157.3 16.38,214.57 14.35,216.73 14.35,221.94 18.03,222.83 18.03,227.65 13,227.67 12.95,234.51 15.75,237.18 15.88,248.48 12.57,248.48 12.45,241.62 9.91,241.62 7.62,238.96 7.62,157.93 10.67,157.93 10.73,153.11 12.32,153.11 12.32,148.53 28.45,148.53
Board_0-VDD on Bottom: 15.75,240.99 15.75,248.36 12.7,248.36 12.95,240.99
Board_1-+3V3 on Top: 201,120.37 88.5,120.37 88.2,248.87 200.7,248.87
Board_1-GND on Bottom: 204,118.87 84,118.87 84.3,248.87 204.3,248.87
Board_1-VDD on Top: 120.45,157.17 108.51,157.3 108.38,214.57 106.35,216.73 106.35,221.94 110.03,222.83 110.03,227.65 105,227.67 104.95,234.51 107.75,237.18 107.88,248.48 104.57,248.48 104.45,241.62 101.91,241.62 99.62,238.96 99.62,157.93 102.67,157.93 102.73,153.11 104.32,153.11 104.32,148.53 120.45,148.53
Board_1-VDD on Bottom: 107.75,240.99 107.75,248.36 104.7,248.36 104.95,240.99
Board_2-+3V3 on Top: -4,129.37 108.5,129.37 108.8,0.87 -3.7,0.87
Board_2-GND on Bottom: -7,130.87 113,130.87 112.7,0.87 -7.3,0.87
Board_2-VDD on Top: 76.55,92.57 88.49,92.44 88.62,35.17 90.65,33.01 90.65,27.8 86.97,26.91 86.97,22.09 92,22.07 92.05,15.23 89.25,12.56 89.13,1.26 92.43,1.26 92.56,8.12 95.1,8.12 97.38,10.78 97.38,91.81 94.33,91.81 94.27,96.64 92.68,96.64 92.68,101.21 76.55,101.21
Board_2-VDD on Bottom: 89.25,8.75 89.25,1.38 92.3,1.38 92.05,8.75
Board_3-+3V3 on Top: 88,129.37 200.5,129.37 200.8,0.87 88.3,0.87
Board_3-GND on Bottom: 85,130.87 205,130.87 204.7,0.87 84.7,0.87
Board_3-VDD on Top: 168.55,92.57 180.49,92.44 180.62,35.17 182.65,33.01 182.65,27.8 178.97,26.91 178.97,22.09 184,22.07 184.05,15.23 181.25,12.56 181.13,1.26 184.43,1.26 184.56,8.12 187.1,8.12 189.38,10.78 189.38,91.81 186.33,91.81 186.27,96.64 184.68,96.64 184.68,101.21 168.55,101.21
Board_3-VDD on Bottom: 181.25,8.75 181.25,1.38 184.3,1.38 184.05,8.75

## Text on the board
B.Mask: 2025
B.Silkscreen: DO NOT CONNECT / TO COMPUTER PCI PORT | GPIO3 | GPIO2 | +3V3 | GND | RESET | 2 | 1 | MCU provided by | GPIO1 | SDA | SCL | 3V3 | TX | RX | RST | BOOT | +5V | RGB | VDD | 8 | 7 | 6 | 5 | 4 | 3
User.Comments: V-CUT
